# Allegro board Try it by yourself - YOUTUBE - iMX6Rex module - Memory simulation.brd (continued)
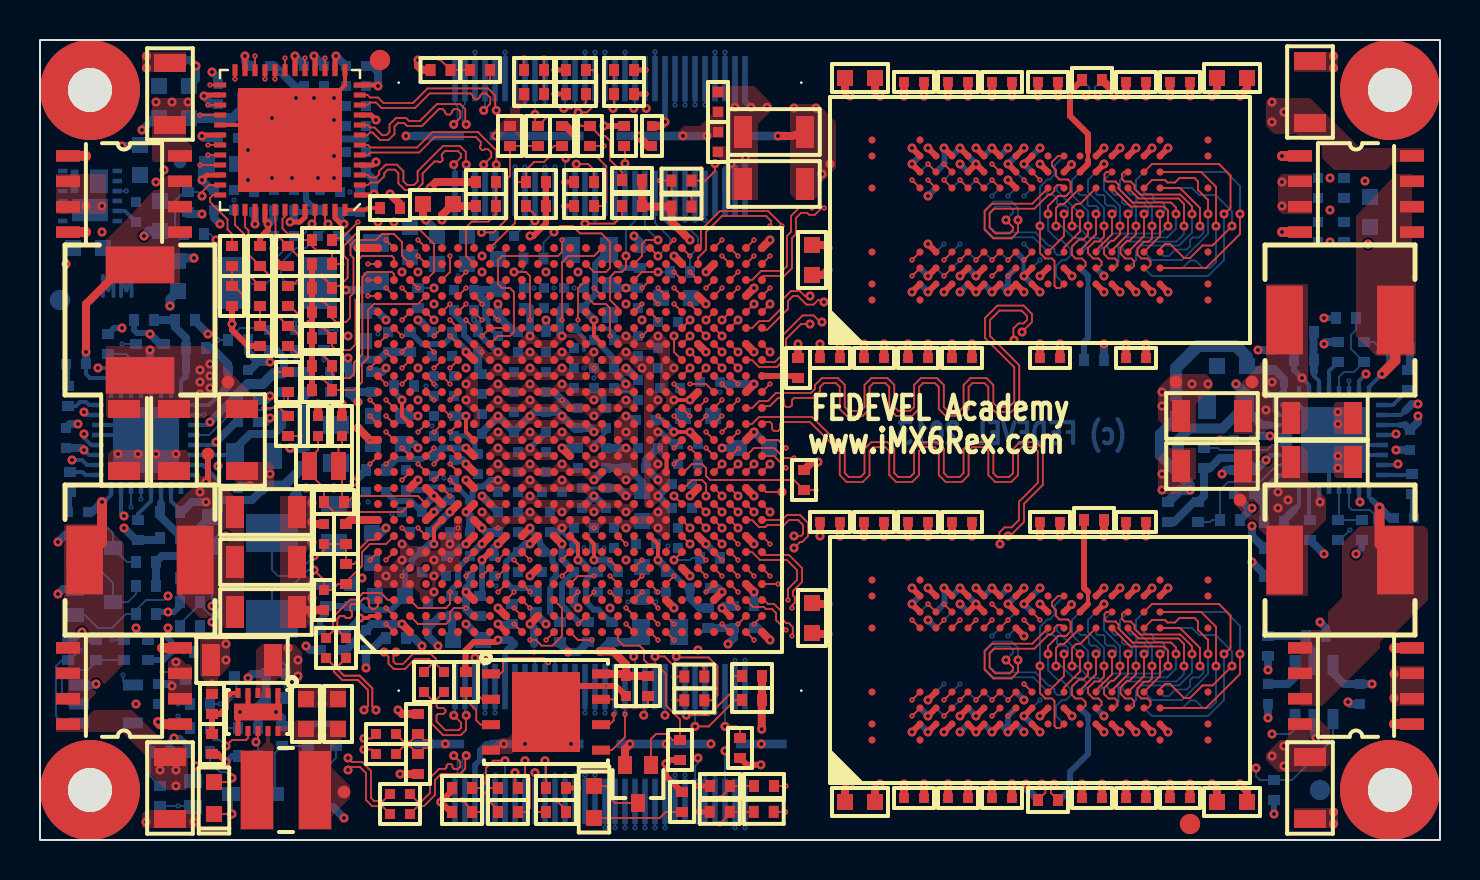
[diagram p0: board, top side]
## Routing (per net, layer and track width the routed paths; a pad name or vN(x,y) marks a point on that pad's centre or on a via; arc(x,y) is an arc through that point) (continued)
DRAM_SDCKE0: length 81.5
  TOP w0.093: v1(50.4,9.3) 50.4,9.7 50.9,10.2 51.3,10.2 51.52,10.43 51.52,10.9 51.4,11.03 50.98,11.03 50.8,11.2 50.8,11.5 50.6,11.7 50.6,11.9 50.9,12.2 U2.K9 ; U4.K9 50.9,34.2 50.6,33.9 50.6,33.7 50.8,33.5 50.8,33.2 50.98,33.03 51.4,33.03 51.52,32.9 51.52,32.43 51.3,32.2 50.9,32.2 50.4,31.7 v1(50.4,31.3) ; U1.Y11 32.2,18.4 32.6,18.8 33.1,18.8 33.3,18.6 33.3,18.2 33.5,18 37.7,18 R6.2 v2(38.8,17.5)
  L2 w0.1: v3(38.5,17.8) v2(38.8,17.5)
  L3 w0.08: v4(45.1,16.7) 45,16.7 44.8,16.5 40.25,16.5 40.1,16.65 40.1,16.98 39.95,17.13 39.7,17.13 39.55,16.98 39.55,16.65 39.4,16.5 39.15,16.5 39,16.65 39,17.08 38.85,17.23 38.6,17.23 38.45,17.08 38.45,16.65 38.3,16.5 38.05,16.5 37.9,16.65 37.9,17.08 37.75,17.23 37.5,17.23 37.35,17.08 37.35,16.65 37.2,16.5 36.95,16.5 36.72,16.73 36.72,17.56 36.97,17.8 v3(38.5,17.8)
  L10 w0.08: v1(50.4,31.3) 50.4,30.5 52,28.9 52,27.22 50.1,25.32 49.99,25.32 49.62,24.96 49.62,24.58 48.5,23.45 46.55,23.45 45.2,22.1 45.2,19.6 44.25,18.65 44.25,17.25 44.8,16.7 v4(45.1,16.7) 45.3,16.9 45.3,17.08 45,17.38 45,18.7 45.3,19 45.7,19 46.35,18.35 46.35,18.1 46.2,17.95 45.65,17.95 45.5,17.8 45.5,17.55 45.65,17.4 46.2,17.4 46.35,17.25 46.35,17 46.2,16.85 45.75,16.85 45.6,16.7 45.6,16.45 45.75,16.3 46.4,16.3 47.15,15.55 47.94,15.55 48.19,15.8 48.82,15.8 49.3,15.33 49.3,15.09 49.79,14.6 50.22,14.6 50.6,14.23 50.66,14.23 51.68,13.2 51.68,12.24 51.95,11.97 51.95,11.15 50.4,9.6 v1(50.4,9.3)
  BOTTOM w0.093: U3.K9 50.8,6.2 50.8,6.7 51.1,7 51.3,7 51.52,7.23 51.52,7.55 51.07,8 50.89,8 50.4,8.49 v1(50.4,9.3) ; v1(50.4,31.3) 50.4,30.49 50.89,30 51.07,30 51.52,29.55 51.52,29.22 51.3,29 51.1,29 50.8,28.7 50.8,28.2 U5.K9
DRAM_SDODT0: length 79.1
  TOP w0.093: v1(50,30.7) 50,29.34 50.27,29.08 50.6,29.08 50.72,28.95 50.72,27.7 50.82,27.6 51,27.6 U4.K1 ; v1(50,8.7) 50,7.34 50.27,7.08 50.6,7.08 50.72,6.95 50.72,5.7 50.82,5.6 51,5.6 U2.K1 ; v2(34.1,22.8) U1.AC16
  L2 w0.1: v2(34.1,22.8) v3(34.4,23.1)
  L3 w0.08: v3(34.4,23.1) 34.93,23.1 35.48,23.65 48.83,23.65 49.35,23.13 49.35,21.05 48.92,20.63 47.51,20.63 47.3,20.83 47.3,21.2 47.15,21.35 45,21.35 44.85,21.5 v4(44.7,21.5)
  L10 w0.08: v1(50,8.7) 50.02,8.73 50.02,9.57 51.4,10.95 51.4,11.42 51.2,11.62 51.2,11.93 51.4,12.13 51.4,13.14 50.14,14.4 49.7,14.4 49,15.1 49,15.3 48.72,15.58 48.24,15.58 48,15.33 47,15.33 46.28,16.05 45.12,16.05 43.9,17.27 43.9,18.7 44.9,19.7 44.9,21.3 v4(44.7,21.5) 44.45,21.5 44.25,21.3 44.25,20.4 44.1,20.25 43.8,20.25 43.65,20.4 43.65,22.55 43.8,22.7 44.05,22.7 44.2,22.55 44.2,22.3 44.35,22.15 44.6,22.15 44.75,22.3 44.75,22.55 44.9,22.7 45.4,22.7 46.4,23.7 48.42,23.7 49.42,24.71 49.42,25.04 51.5,27.11 51.5,27.7 51.22,27.98 51.22,28.4 51.5,28.68 51.5,29 50,30.5 v1(50,30.7)
  BOTTOM w0.093: U3.K1 50.72,11.73 50.72,11.27 50.48,11.03 50.37,11.03 50,10.66 v1(50,8.7) ; v1(50,30.7) 50,32.66 50.37,33.03 50.48,33.03 50.72,33.27 50.72,33.73 U5.K1
DRAM_WE_B: length 70.9
  TOP w0.093: U1.AB16 33.3,22.8 v2(32.5,22.8) ; v1(52.8,9.3) 52.8,8.28 52,7.48 U2.L3 ; v1(52.8,31.3) 52.8,30.28 52,29.48 U4.L3
  L2 w0.1: v3(32.2,23.1) v2(32.5,22.8)
  L3 w0.08: v3(32.2,23.1) 32.2,23.33 32.12,23.4 32.12,24.56 32.39,24.83 32.66,24.83 32.93,25.09 32.93,25.36 33.14,25.58 34.26,25.58 34.81,25.03 36.74,25.03 37.34,24.43 51.17,24.43 51.65,23.95 51.65,23.05 51.5,22.9 51.25,22.9 51.1,22.75 51.1,22.45 51.25,22.3 51.5,22.3 51.65,22.15 51.65,21.85 51.5,21.7 51.2,21.7 50.7,21.2 v4(50.7,21.1)
  L10 w0.08: v1(52.8,31.3) 52.8,30.57 55.2,28.17 55.2,27.1 54.92,26.83 53.77,26.83 52.12,25.18 52.12,24.28 51.5,23.65 50.92,23.65 50.77,23.5 50.77,23.25 50.92,23.1 51.52,23.1 51.67,22.95 51.67,22.7 51.52,22.55 50.9,22.55 50.75,22.4 50.75,22.15 50.9,22 51.52,22 51.67,21.85 51.67,21.6 51.52,21.45 51.05,21.45 v4(50.7,21.1) 50.7,21 50.32,20.63 49.12,20.63 48.9,20.4 48.9,17.55 49.2,17.25 50.05,17.25 51.87,15.42 51.87,15.1 53.89,13.08 54.05,13.08 54.37,12.76 54.37,12.3 54.57,12.1 54.57,11.38 52.8,9.6 v1(52.8,9.3)
  BOTTOM w0.093: v1(52.8,9.3) 52.87,9.3 53,9.43 53,9.52 52.8,9.72 52.57,9.72 52.45,9.84 52.45,10.07 52.27,10.25 52.03,10.25 51.92,10.37 51.92,10.52 U3.L3 ; U5.L3 51.92,32.53 51.92,32.33 52,32.25 52.27,32.25 52.37,32.14 52.37,31.76 52.43,31.7 52.82,31.7 52.92,31.6 52.92,31.4 52.82,31.3 v1(52.8,31.3)
EN_1V375: length 24.7
  L10 w0.08: v5(6.5,6.2) 6.3,6.4 5.9,6.4 4.76,7.54 4.76,8.1 4.16,8.7 4.16,10.84 3.8,11.2 3.8,12 3.1,12.7 v5(3.1,15.5) 3.1,16.37 2.72,16.74 2.72,18 3.2,18.48 3.2,22 v5(4.15,22.95)
  L11 w0.1: v5(6.5,6.2) v6(6.9,6.2) ; v5(3.1,15.5) v6(3.1,15.9) ; v5(4.15,22.95) v6(4.55,22.95)
  BOTTOM w0.093: v6(3.1,15.9) 3.65,15.35 Q5.3 4.35,13.9 R132.1 ; U11.27 v6(4.55,22.95) ; v6(6.9,6.2) R93.2
ENET_LED_LINK: length 7.9
  TOP w0.093: R81.2 v2(24.2,39.1)
  L2 w0.1: v3(24.2,38.7) v2(24.2,39.1)
  L3 w0.08: v4(20.5,38.6) 21.42,38.6 21.6,38.78 24.12,38.78 v3(24.2,38.7)
  L10 w0.08: v5(21.35,39.38) 20.88,39.38 20.5,39 v4(20.5,38.6)
  L11 w0.1: v5(21.35,39.38) v6(21.75,39.38)
  BOTTOM w0.093: J1.56 v6(21.75,39.38)
ENET_LED_RX: length 12
  TOP w0.093: v2(22.5,37.9) R82.2
  L2 w0.1: v2(22.5,37.9) v3(22.8,38.2)
  L3 w0.08: v4(22.4,38.2) v3(22.8,38.2)
  L10 w0.08: v5(21.35,31.02) 20.31,32.06 20.31,34.01 20.7,34.4 21.4,34.4 21.78,34.78 21.78,36.8 22.4,37.42 v4(22.4,38.2)
  L11 w0.1: v5(21.35,31.02) v6(21.75,31.02)
  BOTTOM w0.093: J1.55 v6(21.75,31.02)
ENET_REF_CLK: length 23
  TOP w0.093: U1.V22 v2(30.9,26.8) ; R36.2 12.5,26.7 v2(13,26.2)
  L2 w0.1: v3(12.7,26.5) v2(13,26.2) ; v3(30.6,27.1) v2(30.9,26.8)
  L3 w0.08: v3(12.7,26.5) 13,26.8 13.9,26.8 14.28,26.41 14.52,26.41 14.62,26.52 16.46,26.52 16.6,26.65 17.65,26.65 17.65,26.65 18.67,25.63 19.06,25.63 19.27,25.84 19.27,26.11 19.54,26.38 19.86,26.38 20.16,26.08 21.32,26.08 21.6,25.8 23.1,25.8 23.48,26.18 23.48,26.89 24.2,27.6 26.1,27.6 26.2,27.5 27.7,27.5 27.85,27.35 28.95,27.35 29.12,27.18 30.52,27.18 v3(30.6,27.1)
ENET_REF_CLK_R: length 4.7
  TOP w0.093: R36.1 12.6,27.7 13,28.1 13,29.1 R99.2 11.77,30.33 11.77,30.98 11.75,31.01 U8.41
ETH_ISET: length 2.1
  TOP w0.2: U8.48 16.3,31.51 16.39,31.6 R84.1 16.89,31.51 17,31.4
ETH_OSCI_25MHZ: length 6.7
  TOP w0.093: v1(14.4,30.8) 14.25,30.95 U8.46
  BOTTOM w0.093: Y3.2 13.85,27.8 12.4,27.8 12.05,28.15 12.05,28.85 12.8,29.6 13.3,29.6 C175.1 14.4,30.7 v1(14.4,30.8)
ETH_OSCO_25MHZ: length 6.9
  TOP w0.093: U8.45 13.75,30.85 13.6,30.7 v1(13.6,30.8)
  BOTTOM w0.093: Y3.1 9.6,27.8 11.3,27.8 11.65,28.15 11.65,28.95 12.7,30 C176.1 13.1,30.2 13.3,30.4 13.3,30.55 13.55,30.8 v1(13.6,30.8)
FB1_2V5: length 3.1
  BOTTOM w0.2: U13.11 63.95,22.95 63.7,23.2 63.7,23.3
  BOTTOM w0.3: 63.7,23.4 63.7,23.3
  BOTTOM w0.4: R150.2 63.68,25.38 63.68,24.03 R147.1 63.7,23.4
FB1_3V3: length 2.9
  BOTTOM w0.2: U11.11 6.05,16.95
  BOTTOM w0.3: 6.05,16.95 6.05,16.8
  BOTTOM w0.4: 6.05,16.8 6.05,16.45 R123.1 6,16.2 7,15.2 R126.2
FB_3V0_SNVS: length 3
  TOP w0.2: U12.5 9.55,7.35 9.5,7.3
  TOP w0.3: 9.5,7.3 9.3,7.1 9.3,6.6 9,6.3 R139.2 R138.1
HDMI_CEC: length 27.6
  TOP w0.093: v2(28.2,34.71) 28.19,34.7 R25.1 ; U1.W4 v2(31.7,13.2)
  L2 w0.1: v3(31.4,13.5) v2(31.7,13.2) ; v2(28.2,34.71) v3(28.6,34.71)
  L3 w0.08: v3(31.4,13.5) 31.27,13.63 31.27,14.78 v4(31.7,15.2) ; v4(29,34.81) 28.9,34.71 v3(28.6,34.71)
  L10 w0.08: v4(31.7,15.2) 30.1,15.2 29.7,15.6 29.7,24.6 29.52,24.78 29.19,24.78 28.92,25.04 28.92,25.36 29.2,25.63 29.2,26.37 28.92,26.64 28.92,26.96 29.14,27.18 29.41,27.18 29.67,27.44 29.67,27.83 29.5,28 29.5,28.87 29.67,29.04 29.67,29.69 29.32,30.04 29.32,33.21 28.87,33.66 28.87,34.68 v4(29,34.81)
HDMI_CEC_IN: length 9
  TOP w0.093: v1(24.75,36.28) 24.75,35.85 R24.2 25.4,36.2 26.56,36.2 27.06,35.7 R25.2 27.99,35.21 28.25,35.21 28.5,34.96 28.5,34 29.1,33.4 R22.1
  BOTTOM w0.093: v1(24.75,36.28) J1.44
HDMI_CLK_N: length 32.2
  TOP w0.09: v4(22.9,13.2) U1.J5
  L2 w0.1: v4(22.9,13.2) v3(23.2,13.5)
  L3 w0.085: v4(22.9,13.2) v3(23.2,13.5)
  L10 w0.085: v4(22.9,13.2) 23.36,13.66 23.36,14.1 24.11,14.85 24.11,15.25 23.57,15.8 23.57,16.07 24.11,16.61 24.11,17.11 23.57,17.66 23.57,17.93 24.11,18.47 24.11,18.97 23.57,19.52 23.57,19.79 24.11,20.33 24.11,20.83 23.57,21.38 23.57,21.65 24.11,22.19 24.11,22.69 23.57,23.24 23.57,23.51 24.11,24.05 24.11,26.48 23.6,27 23.6,27.82 23.08,28.33 23.08,28.6 23.26,28.78 23.9,28.78 24.21,29.09 24.21,29.63 23.9,29.94 23.26,29.94 23.11,30.09 23.11,30.39 23.26,30.54 23.9,30.54 24.21,30.85 24.21,31.39 23.9,31.7 22.36,31.7 22.21,31.85 22.21,32.15 22.36,32.3 23.62,32.3 24.08,32.76 24.08,33.05 24.25,33.22 v5(24.25,33.24)
  L11 w0.1: v5(24.25,33.24) v6(24.25,33.64)
  BOTTOM w0.09: J1.45 v6(24.25,33.64)
HDMI_CLK_P: length 32.2
  TOP w0.09: v4(22.9,14) U1.J6
  L2 w0.1: v4(22.9,14) v3(23.2,14.3)
  L3 w0.085: v4(22.9,14) v3(23.2,14.3)
  L10 w0.085: v4(22.9,14) 22.8,13.9 22.6,13.9 22.5,14 22.5,14.15 22.75,14.4 23.26,14.4 23.83,14.97 23.83,15.14 23.29,15.68 23.29,16.18 23.83,16.73 23.83,17 23.29,17.54 23.29,18.04 23.83,18.59 23.83,18.86 23.29,19.4 23.29,19.9 23.83,20.45 23.83,20.72 23.29,21.26 23.29,21.76 23.83,22.31 23.83,22.58 23.29,23.12 23.29,23.62 23.83,24.17 23.83,26.36 23.31,26.88 23.31,27.7 22.8,28.22 22.8,28.71 23.15,29.06 23.78,29.06 23.93,29.21 23.93,29.51 23.78,29.66 23.15,29.66 22.83,29.97 22.83,30.51 23.15,30.82 23.78,30.82 23.93,30.97 23.93,31.27 23.78,31.42 22.25,31.42 21.93,31.73 21.93,32.27 22.25,32.58 23.5,32.58 23.8,32.88 23.8,33.19 v5(23.75,33.24)
  L11 w0.1: v5(23.75,33.24) v6(23.75,33.64)
  BOTTOM w0.09: v6(23.75,33.64) J1.47
HDMI_D0_N: length 32.1
  TOP w0.09: v2(23.7,14) v3(24.1,13.6)
  L2 w0.1: v2(23.7,14) v3(24.1,13.6)
  L3 w0.085: v4(23.8,13.9) v3(24.1,13.6)
  L10 w0.085: v4(23.8,13.9) 24.13,13.57 25.01,13.57 25.7,14.25 25.7,14.8 25.18,15.32 25.18,15.6 25.73,16.14 25.73,16.64 25.18,17.19 25.18,17.46 25.73,18 25.73,18.5 25.18,19.05 25.18,19.32 25.73,19.86 25.73,20.36 25.18,20.91 25.18,21.18 25.73,21.72 25.73,22.22 25.18,22.77 25.18,23.04 25.73,23.58 25.73,24.08 25.18,24.63 25.18,25.08 25.4,25.3 25.68,25.3 26.24,25.86 26.24,26.56 25.81,26.99 24.8,26.99 24.65,27.14 24.65,27.54 24.8,27.69 26.03,27.69 26.53,28.2 26.53,28.92 26.15,29.3 25.4,29.3 25.15,29.55 25.15,30.44 25.96,31.25 25.96,31.72 25.48,32.2 25.48,32.41 25.75,32.68 v5(25.75,33.24)
  L11 w0.1: v5(25.75,33.24) v6(25.75,33.64)
  BOTTOM w0.09: v6(25.75,33.64) J1.39
HDMI_D0_P: length 32.1
  TOP w0.09: v3(24.1,14.4) v2(24.5,14)
  L2 w0.1: v3(24.1,14.4) v2(24.5,14)
  L3 w0.085: v3(24.1,14.4) v4(24.4,14.1)
  L10 w0.085: v4(24.4,14.1) 24.4,13.9 24.45,13.85 24.9,13.85 25,13.95 25,14.1 24.75,14.35 24.75,14.5 24.8,14.55 24.95,14.55 25.2,14.3 25.35,14.3 25.42,14.37 25.42,14.68 24.9,15.2 24.9,15.71 25.45,16.26 25.45,16.53 24.9,17.07 24.9,17.57 25.45,18.12 25.45,18.39 24.9,18.93 24.9,19.43 25.45,19.98 25.45,20.25 24.9,20.79 24.9,21.29 25.45,21.84 25.45,22.11 24.9,22.65 24.9,23.15 25.45,23.7 25.45,23.97 24.9,24.51 24.9,25.2 25.28,25.58 25.56,25.58 25.96,25.98 25.96,26.44 25.69,26.71 24.69,26.71 24.37,27.03 24.37,27.66 24.69,27.97 25.91,27.97 26.25,28.31 26.25,28.8 26.03,29.02 25.28,29.02 24.87,29.44 24.87,30.55 25.68,31.37 25.68,31.6 25.2,32.08 25.2,32.53 25.47,32.8 25.47,33 25.25,33.22 v5(25.25,33.24)
  L11 w0.1: v5(25.25,33.24) v6(25.25,33.64)
  BOTTOM w0.09: J1.41 v6(25.25,33.64)
HDMI_D1_N: length 32.1
  TOP w0.09: U1.J3 v4(23.7,12.4)
  L2 w0.1: v3(23.4,12.1) v4(23.7,12.4)
  L3 w0.085: v3(23.4,12.1) v4(23.7,12.4)
  L10 w0.085: v4(23.7,12.4) 23.52,12.58 23.52,12.73 23.62,12.82 23.96,12.82 24.23,12.55 24.77,12.55 25.12,12.9 25.7,12.9 26.53,13.73 26.53,14.32 27.1,14.88 27.1,25.28 27.3,25.48 27.3,27.7 27.58,27.99 27.58,29.91 26.88,30.62 26.88,31 27,31.12 27,32.86 24.98,34.88 24.98,35.42 24.55,35.85 24.22,35.85 24.06,36 24.06,36.14 24.25,36.33 v5(24.25,36.36)
  L11 w0.1: v5(24.25,36.36) v6(24.25,36.76)
  BOTTOM w0.09: v6(24.25,36.76) J1.46
HDMI_D1_P: length 32.1
  TOP w0.09: v4(22.9,12.4) U1.J4
  L2 w0.1: v4(22.9,12.4) v3(23.2,12.7)
  L3 w0.085: v4(22.9,12.4) v3(23.2,12.7)
  L10 w0.085: v5(23.75,36.36) 23.78,36.33 23.78,35.89 24.1,35.57 24.43,35.57 24.7,35.3 24.7,34.76 26.72,32.74 26.72,31.24 26.6,31.12 26.6,30.5 27.3,29.8 27.3,28.1 27.02,27.82 27.02,25.6 26.82,25.4 26.82,15 26.25,14.43 26.25,13.85 25.58,13.18 25,13.18 24.65,12.83 24.35,12.83 24.08,13.1 23.5,13.1 23.24,12.84 23.24,12.74 v4(22.9,12.4)
  L11 w0.1: v5(23.75,36.36) v6(23.75,36.76)
  BOTTOM w0.09: v6(23.75,36.76) J1.48
HDMI_D2_N: length 32.1
  TOP w0.09: U1.K3 v2(24.5,11.6)
  L2 w0.1: v2(24.5,11.6) v3(24.8,11.3)
  L3 w0.085: v3(24.8,11.3) v4(25.1,11.6)
  L10 w0.085: v5(25.75,36.36) 25.73,36.34 25.73,35.68 26.82,34.58 26.94,34.58 27.53,33.99 27.53,33.17 28.31,32.39 28.31,30.29 28.88,29.71 28.88,27.89 28.38,27.38 28.38,15.88 28.8,15.46 28.8,14.67 28.4,14.27 28.4,13.78 26.72,12.1 25.2,12.1 25.1,12 v4(25.1,11.6)
  L11 w0.1: v5(25.75,36.36) v6(25.75,36.76)
  BOTTOM w0.09: v6(25.75,36.76) J1.40
HDMI_D2_P: length 32.1
  TOP w0.09: U1.K4 v2(24.5,12.4)
  L2 w0.1: v2(24.5,12.4) v3(24.8,12.1)
  L3 w0.085: v4(24.5,11.8) v3(24.8,12.1)
  L10 w0.085: v4(24.5,11.8) 25.08,12.38 26.6,12.38 28.12,13.9 28.12,14.38 28.52,14.78 28.52,15.34 28.1,15.76 28.1,27.5 28.6,28 28.6,29.6 28.03,30.17 28.03,32.28 27.25,33.05 27.25,33.87 26.82,34.3 26.71,34.3 25.45,35.56 25.45,36.13 25.25,36.33 v5(25.25,36.36)
  L11 w0.1: v5(25.25,36.36) v6(25.25,36.76)
  BOTTOM w0.09: v6(25.25,36.76) J1.42
HDMI_DDC: length 31.7
  TOP w0.093: R24.1 R26.2 23.5,33.2 23.37,33.08 23.37,31.08 22.67,30.38 v1(22.07,30.38) ; v2(23.7,11.6) U1.K2
  L2 w0.1: v3(23.4,11.3) v2(23.7,11.6)
  L3 w0.08: v3(23.4,11.3) 23.32,11.23 22.47,11.23 21.7,12 21.1,12 20.5,12.6 20.5,14.09 20.9,14.49 20.9,15.4 21.5,16 22.23,16 22.52,16.29 22.52,16.83 v4(22.9,17.2)
  L10 w0.08: v4(22.9,17.2) 22.9,17.47 22.52,17.84 22.52,24.6 23,25.08 23,26.16 22.4,26.76 22.4,26.99 22.57,27.16 22.57,27.64 22.19,28.03 21.94,28.03 21.72,28.24 21.72,29.36 22.07,29.71 v1(22.07,30.38)
HDMI_HPD: length 37
  TOP w0.093: v1(24.75,30.95) 24.75,31.25 R21.1 ; v2(23.7,10.8) U1.K1
  L2 w0.1: v3(23.4,10.5) v2(23.7,10.8)
  L3 w0.08: v3(23.4,10.5) 23.68,10.79 23.68,11.52 23.39,11.82 23.22,11.82 23.06,11.98 22.62,11.98 22.4,12.2 22.4,13.58 22.52,13.7 22.52,15.1 22.9,15.48 v4(22.9,16.4)
  L10 w0.08: v4(22.9,16.4) 22.9,16.67 22.47,17.09 22.47,17.4 22.32,17.55 22.32,24.68 22.8,25.16 22.8,26.08 22.2,26.68 22.2,27.07 22.37,27.24 22.37,27.56 22.16,27.78 21.91,27.78 21.47,28.21 21.47,29.39 21.7,29.61 21.7,31.1 21,31.8 21,32.9 21.49,33.39 22.97,33.39 23.48,33.9 24.3,33.9 24.75,33.45 24.75,32.8 24.5,32.55 24.5,31.85 24.75,31.6 v1(24.75,30.95)
  BOTTOM w0.101: J1.43 v1(24.75,30.95) 24.37,30.58 24.08,30.58 C74.2
HDMI_RESREF: length 1.3
  TOP w0.3: v1(22.9,10.8) U1.J1
  BOTTOM w0.3: v1(22.9,10.8) R30.2
I2C1_SCL: length 18.6
  TOP w0.093: v1(32.31,6.24) 33.44,6.24 34.56,7.37 34.56,8.06 34.71,8.2 R47.1 ; v2(26.1,13.2) U1.N5
  L2 w0.1: v2(26.1,13.2) v3(26.4,13.5)
  L3 w0.08: v3(26.4,13.5) 26.52,13.38 26.52,10.09 26.97,9.64 26.97,9.11 27.69,8.4 28.4,8.4 28.9,7.9 29.2,7.9 29.76,7.34 29.76,6.14 30.03,5.87 31.94,5.87 v1(32.31,6.24)
  BOTTOM w0.093: J2.14 32.25,6.31 v1(32.31,6.24)
I2C1_SDA: length 19.7
  TOP w0.093: v2(26.1,14) U1.N6 ; v1(32.75,5.68) 33.44,5.68 34.76,7 R46.1
  L2 w0.1: v2(26.1,14) v3(26.4,14.3)
  L3 w0.08: v3(26.4,14.3) 26.08,13.98 26.08,13.41 26.32,13.17 26.32,10.01 26.77,9.56 26.77,9.03 27.6,8.2 28.3,8.2 28.8,7.7 29.12,7.7 29.56,7.25 29.56,5.99 29.89,5.67 32.74,5.67 v1(32.75,5.68)
  BOTTOM w0.101: v1(32.75,5.68) J2.12
I2C2_SCL: length 34.9
  TOP w0.093: v1(26.91,36.38) 27.35,36.38 27.87,36.91 27.87,38.26 27.63,38.5 R28.1 ; U1.U5 v2(30.1,14)
  L2 w0.1: v2(30.1,14) v3(30.4,14.3)
  L3 w0.08: v3(30.4,14.3) 30.4,14.57 31.43,15.6 31.7,15.87 v4(31.7,16)
  L10 w0.08: v4(31.7,16) 30.77,16 30.45,16.32 30.45,23.04 30.77,23.36 30.77,23.83 30.1,24.5 30.1,25.47 29.72,25.84 29.72,26.16 29.92,26.36 29.92,27.13 30.07,27.28 30.07,29.57 30.52,30.02 30.52,31.35 29.93,31.94 29.93,33.51 30.5,34.08
  L10 w0.101: v1(26.91,36.38) 26.91,36 27.58,35.33 28.53,35.33 29.08,35.88 30.2,35.88 30.6,35.48 30.6,34.18 30.5,34.08
  BOTTOM w0.101: v1(26.91,36.38) 26.75,36.54 J1.36
I2C2_SDA: length 31.8
  TOP w0.093: U1.T7 v2(29.3,14.8) ; v1(26.19,36.58) 26.58,36.58 26.75,36.76 27.17,36.76 27.3,36.88 R29.1
  L2 w0.1: v3(29,15.1) v2(29.3,14.8)
  L3 w0.08: v4(30.1,15.9) 30.1,15.5 29.7,15.1 v3(29,15.1)
  L10 w0.08: v4(30.1,15.9) 30.15,15.95 30.15,23.12 30.47,23.44 30.47,23.76 29.9,24.33 29.9,25.31 29.51,25.7 29.51,26.22 29.7,26.41 29.7,27.19 29.87,27.36 29.87,29.75 30.22,30.09 30.22,31.26 29.67,31.81 29.67,33.7 30.27,34.3 30.27,35.36 30.05,35.58 29.2,35.58 28.62,35 27.53,35 26.19,36.34 v1(26.19,36.58)
  BOTTOM w0.093: v1(26.19,36.58) 26.25,36.64 J1.38
I2C3_SCL: length 44.4
  TOP w0.093: v2(34,2.1) 34.5,2.6 R31.1 R157.2 ; U1.F21 v2(21.3,26.8)
  L2 w0.1: v2(34,2.1) v3(34.3,1.8) ; v3(21,26.5) v2(21.3,26.8)
  L3 w0.08: v3(21,26.5) v4(21,26.9) ; v3(34.3,1.8) 33.9,1.4 32.72,1.4 31.94,2.18 31.5,2.18 31.05,1.73 v4(31.05,1.46)
  L10 w0.08: v5(30.75,1.02) 31.05,1.32 v4(31.05,1.46) 30.78,1.46 28.92,3.31 28.92,5.2 29.56,5.84 29.56,6.96 29.02,7.5 28.3,7.5 27.4,8.4 27.4,10.1 26.7,10.8 26,10.8 25.62,10.43 24.3,10.43 24.12,10.6 24.12,10.78 23.72,11.17 22.79,11.17 22.49,11.48 22.49,11.99 22.3,12.19 22.3,13.17 22.1,13.38 21.91,13.38 21.52,13.76 21.52,14.28 21.42,14.38 21.12,14.38 20.92,14.58 20.92,19.95 21.67,20.7 21.67,26.03 21,26.7 v4(21,26.9)
  L11 w0.1: v6(30.75,0.62) v5(30.75,1.02)
  BOTTOM w0.093: v6(30.75,0.62) J2.19
I2C3_SDA: length 45.4
  TOP w0.093: v2(33.99,0.81) 34.49,1.31 R32.1 R156.2 ; v2(18.9,29.2) U1.D24
  L2 w0.1: v2(33.99,0.81) v3(34.29,1.11) ; v2(18.9,29.2) v3(19.3,29.2)
  L3 w0.08: v3(19.3,29.2) v4(19.6,28.9) ; v3(34.29,1.11) 34.28,1.12 32.39,1.12 v4(31.75,1.76)
  L10 w0.08: v5(31.25,1.02) 31.75,1.52 v4(31.75,1.76) 31.67,1.83 30.79,1.83 29.28,3.34 29.28,4.48 29.12,4.64 29.12,4.96 29.81,5.64 29.81,7.09 29.15,7.75 28.45,7.75 27.62,8.58 27.62,10.28 26.72,11.17 24.2,11.17 23.77,11.6 23.43,11.6 23.01,12.03 22.74,12.03 22.5,12.27 22.5,13.26 22.18,13.58 21.99,13.58 21.72,13.84 21.72,14.91 21.3,15.33 21.3,15.82 21.72,16.24 21.72,20.33 21.92,20.52 21.92,26.14 21.37,26.69 21.37,27.13 v4(19.6,28.9)
  L11 w0.1: v6(31.25,0.62) v5(31.25,1.02)
  BOTTOM w0.093: v6(31.25,0.62) J2.17
I2C4_SCL: length 154.3
  TOP w0.093: U1.E15 v4(20.5,21.2) ; v1(26.81,33.79) 27.41,33.79 27.7,33.51 R45.1 ; v2(37.3,2.7) R157.1
  L2 w0.1: v3(37.3,2.3) v2(37.3,2.7) ; v4(20.5,21.2) v3(20.8,21.5)
  L3 w0.08: v4(64,34) 62.9,35.1 52.4,35.1 51.33,36.17 51.33,37.3 51.06,37.57 39.6,37.57 39,36.98 38.54,36.98 38.42,36.86 38.42,36.51 37.86,35.95 36.87,35.95 36.5,35.58 33.19,35.58 32.94,35.33 32.56,35.33 32.31,35.58 31.99,35.58 31.77,35.36 31.77,35.36 31.62,35.21 30.8,35.21 29.79,34.2 27.74,34.2 27.34,33.79 v1(26.81,33.79) ; v4(13.9,3.8) 14.77,2.93 15.72,2.93 16.2,3.4 17.32,3.4 17.8,2.93 18.23,2.93 18.56,3.26 19.68,3.26 20.12,3.7 21.98,3.7 22.69,2.99 24.93,2.99 25.31,3.38 26.1,3.38 26.37,3.1 29.28,3.1 29.58,2.8 33.78,2.8 34.04,2.54 34.5,2.54 35.34,1.7 36.4,1.7 37,2.3 v3(37.3,2.3) 37.9,1.7 60.73,1.7 62.72,3.69 62.72,6.82 63.8,7.9 v4(63.8,9.3) ; v4(20.5,21.2) v3(20.8,21.5)
  L10 w0.08: v4(13.9,3.8) 13.9,4.63 13.72,4.81 13.72,7.57 14.1,7.94 14.1,8.5 15.62,10.03 15.62,11.26 15.72,11.36 15.72,14.78 15.52,14.98 15.52,16.16 15.74,16.38 15.97,16.38 16.3,16.7 16.3,18.4 16.07,18.63 16.07,19.51 16.67,20.11 16.67,20.71 17.07,21.1 18.47,21.1 18.74,20.83 20.12,20.83 v4(20.5,21.2) ; v4(64,34) 64.23,34 64.87,33.36 64.87,24.38 64.1,23.6 64.1,17.58 64.37,17.3 64.37,14.73 64.7,14.4 64.7,10.2 v4(63.8,9.3)
  BOTTOM w0.093: v1(26.81,33.79) 26.75,33.73 J1.35
I2C4_SDA: length 158.7
  TOP w0.093: U1.D16 v2(19.7,22) ; R156.1 37.27,1.41 v2(37.28,1.4) ; v1(26.29,34.09) 26.36,34.17 27.83,34.17 28.3,33.7 28.3,31.9 28.1,31.7 R44.1
  L2 w0.1: v3(19.7,21.6) v2(19.7,22) ; v3(36.88,1.4) v2(37.28,1.4)
  L3 w0.08: v4(13.5,4.5) 13.5,3.67 14.44,2.73 15.91,2.73 16.33,3.15 17.19,3.15 17.62,2.73 18.41,2.73 18.69,3.01 19.81,3.01 20.25,3.45 21.83,3.45 22.49,2.79 25.01,2.79 25.39,3.17 25.9,3.17 26.27,2.8 29.2,2.8 29.5,2.5 32.3,2.5 32.4,2.6 33.7,2.6 34,2.3 34.3,2.3 35.2,1.4 v3(36.88,1.4) 60.91,1.4 63.1,3.59 63.1,6.7 64.3,7.9 v4(64.3,8.5) ; v4(19.7,21.2) v3(19.7,21.6) ; v4(64,34.8) 63.3,35.5 52.48,35.5 51.73,36.25 51.73,37.28 51.16,37.85 39.57,37.85 38.9,37.18 38.46,37.18 38.22,36.94 38.22,36.59 37.83,36.2 36.7,36.2 36.4,35.9 33.23,35.9 32.97,35.64 32.53,35.64 32.27,35.9 32.03,35.9 31.59,35.46 30.69,35.46 29.65,34.42 27.63,34.42 27.38,34.17 26.66,34.17 26.58,34.09 v1(26.29,34.09)
  L10 w0.08: v4(19.7,21.2) 19.32,21.58 18.57,21.58 18.3,21.3 16.99,21.3 16.47,20.79 16.47,20.36 15.88,19.76 15.88,18.54 16.07,18.34 16.07,17.61 15.32,16.86 15.32,14.89 15.47,14.74 15.47,11.48 15.4,11.4 15.4,10.1 13.77,8.48 13.77,7.9 13.52,7.65 13.52,4.5 v4(13.5,4.5) ; v4(64.3,8.5) 65.1,9.3 65.1,14.48 64.77,14.81 64.77,17.38 64.5,17.66 64.5,23.52 65.27,24.29 65.27,33.46 64,34.73 v4(64,34.8)
  BOTTOM w0.093: J1.37 26.25,34.06 v1(26.29,34.09)
JTAG_MOD: length 2.4
  TOP w0.3: v1(22.1,14) U1.H6
  BOTTOM w0.3: v1(22.1,14) 22.1,12.3 R61.2
JTAG_NTRST: length 16.2
  TOP w0.093: R62.1 25.3,3.92 v1(25.25,3.97) ; v2(21.3,11.6) 20.7,11.6 20.5,11.4 20.5,11 20.3,10.8 18.9,10.8 U1.C2
  L2 w0.1: v2(21.3,11.6) v3(21.6,11.3)
  L3 w0.08: v3(21.6,11.3) v4(22.1,10.8)
  L10 w0.08: v4(22.1,10.8) 22.1,10.18 22.72,9.55 22.72,8.77 25.24,6.26 25.24,3.98 v1(25.25,3.97)
  BOTTOM w0.093: J2.41 v1(25.25,3.97)
JTAG_TCK: length 3.9
  TOP w0.093: v1(24.75,3.37) 24.75,1.55 24.9,1.4 R92.2
  BOTTOM w0.093: J2.43 v1(24.75,3.37)
JTAG_TCK_R: length 20.7
  TOP w0.093: v2(22.1,13.2) U1.H5 ; v2(25.8,2) 26.3,1.5 R92.1
  L2 w0.1: v2(25.8,2) v3(25.8,2.4) ; v3(21.8,13.5) v2(22.1,13.2)
  L3 w0.08: v3(25.8,2.4) 25.55,2.65 v4(25.55,2.8) ; v4(21.9,13) 21.9,13.4 v3(21.8,13.5)
  L10 w0.08: v4(21.9,13) 22,12.9 22,11.61 22.47,11.14 22.47,10.69 22.77,10.4 23.93,10.4 24.07,10.25 24.07,10 23.93,9.85 23.3,9.85 23.15,9.7 23.15,9.45 23.3,9.3 24.1,9.3 24.25,9.15 24.25,8.9 24.1,8.75 23.65,8.75 23.5,8.6 23.5,8.35 23.65,8.2 23.85,8.2 24.85,7.2 25.8,7.2 25.95,7.05 25.95,6.8 25.79,6.64 25.59,6.64 25.44,6.49 25.44,6.24 25.59,6.08 25.59,5.7 25.49,5.6 25.49,5.31 25.6,5.2 26,5.2 26.15,5.05 26.15,4.8 26,4.65 25.65,4.65 25.5,4.5 25.5,4.25 25.66,4.09 25.66,3.6 25.33,3.27 25.32,3.27 25.32,3.03 v4(25.55,2.8)
JTAG_TDI: length 2.3
  TOP w0.093: v1(23.75,3.37) 23.75,2.75 R90.2
  BOTTOM w0.093: J2.47 v1(23.75,3.37)
JTAG_TDI_R: length 20.9
  TOP w0.093: v2(21.1,2) 21.6,1.5 R63.1 22,1.4 22.1,1.5 22.1,2.2 22.5,2.6 R90.1 ; v2(21.3,13.2) U1.G5
  L2 w0.1: v3(21,13.5) v2(21.3,13.2) ; v2(21.1,2) v3(21.1,2.4)
  L3 w0.08: v3(21.1,2.4) v4(21.1,2.8) ; v3(21,13.5) 21,13.1 v4(21.1,13)
  L10 w0.08: v4(21.1,2.8) 21.42,2.8 21.79,3.17 23.32,3.17 23.51,2.99 24.13,2.99 24.31,3.18 24.31,3.5 24.62,3.81 24.62,4.37 24.84,4.58 24.84,5.26 24.68,5.42 24.68,6.15 22.32,8.5 22.32,9.39 21.98,9.73 21.84,9.73 20.92,10.64 20.92,11.29 21.17,11.54 21.17,11.99 20.92,12.24 20.92,12.83 v4(21.1,13)
JTAG_TDO: length 5.2
  TOP w0.093: R161.2 24.3,1.4 24.5,1.6 24.5,3.09 24.25,3.34 v1(24.25,3.97)
  BOTTOM w0.093: J2.45 v1(24.25,3.97)
JTAG_TDO_R: length 19.4
  TOP w0.093: R161.1 22.9,1.5 v2(22.4,2) ; v2(21.3,14) U1.G6
  L2 w0.1: v2(21.3,14) v3(21.6,14.3) ; v2(22.4,2) v3(22.4,2.4)
  L3 w0.08: v3(21.6,14.3) 21.4,14.3 v4(21.1,14) ; v4(21.95,2.8) 22,2.8 v3(22.4,2.4)
  L10 w0.08: v4(21.1,14) 21.1,13.76 21.52,13.33 21.52,12.71 21.67,12.56 21.67,10.32 22.52,9.47 22.52,8.63 24.95,6.21 24.95,5.43 25.04,5.35 25.04,4.5 24.87,4.33 24.87,3.77 25.12,3.52 25.12,3.21 24.71,2.79 21.95,2.79 v4(21.95,2.8)
JTAG_TMS: length 18.8
  TOP w0.093: R64.1 22,2.6 22.3,2.9 22.3,3.6 22.67,3.97 v1(23.25,3.97) ; U1.C3 18.9,11.6 20.3,11.6 20.5,11.8 v2(20.5,12.4)
  L2 w0.1: v3(20.5,12) v2(20.5,12.4)
  L3 w0.08: v3(20.5,12) v4(20.8,11.7)
  L10 w0.08: v1(23.25,3.97) 23.71,4.43 24.41,4.43 24.64,4.66 24.64,5.06 24.39,5.31 24.39,6.1 22.12,8.37 22.12,9.26 21.86,9.53 21.66,9.53 20.72,10.46 20.72,11.63 v4(20.8,11.7)
  BOTTOM w0.093: J2.49 v1(23.25,3.97)
LED1: length 10.5
  TOP w0.093: U8.17 v2(13.25,39.1) ; v2(19.97,39.08) 19.97,39.05 R94.1 R82.1
  L2 w0.1: v3(19.97,38.68) v2(19.97,39.08) ; v3(13.25,38.7) v2(13.25,39.1)
  L3 w0.08: v3(13.25,38.7) 13.53,38.42 14.37,38.42 14.5,38.55 17.15,38.55 17.4,38.8 18.29,38.8 18.66,38.43 19.14,38.43 19.41,38.7 19.97,38.7 v3(19.97,38.68)
LED2: length 14.2
  TOP w0.093: v2(25.2,39.1) R81.1 R102.2 ; U8.15 v2(14.25,39.1)
  L2 w0.1: v3(14.25,38.7) v2(14.25,39.1) ; v3(24.8,39.1) v2(25.2,39.1)
  L3 w0.08: v3(24.8,39.1) 24.68,38.99 19.42,38.99 19.06,38.63 18.74,38.63 18.37,39 17.3,39 17.1,38.8 14.35,38.8 v3(14.25,38.7)
LGATE1_2V5: length 16.2
  TOP w0.5: v1(62.1,30.4) 62.99,30.4 Q6.4
  L3 w0.5: v1(68.9,21.8) 68.7,22
  L3 w0.6: 64.3,23.2 65.2,22.3 68.4,22.3 68.7,22 ; 62.1,30.1 v1(62.1,30.4)
  L3 w0.8: 62.1,30.1 62.1,25.4 64.3,23.2
  BOTTOM w0.2: 68.2,21.4 68.05,21.25 U13.18
  BOTTOM w0.3: 68.3,21.5 68.2,21.4
  BOTTOM w0.4: 68.3,21.5 68.6,21.8 v1(68.9,21.8)
LGATE1_3V3: length 18.2
  TOP w0.5: v1(6.1,9.6) 6.99,9.6 Q3.4
  L3 w0.6: v1(6.1,9.6) 5.8,9.3 ; 2,18.6 v1(1.6,19)
  L3 w0.8: 5.8,9.3 5.5,9 4.3,9 3.4,9.9 3.4,13.5 5.4,15.5 5.4,17 4.4,18 2.6,18 2,18.6